# KiCad board wired-wizza.kicad_pcb (continued)
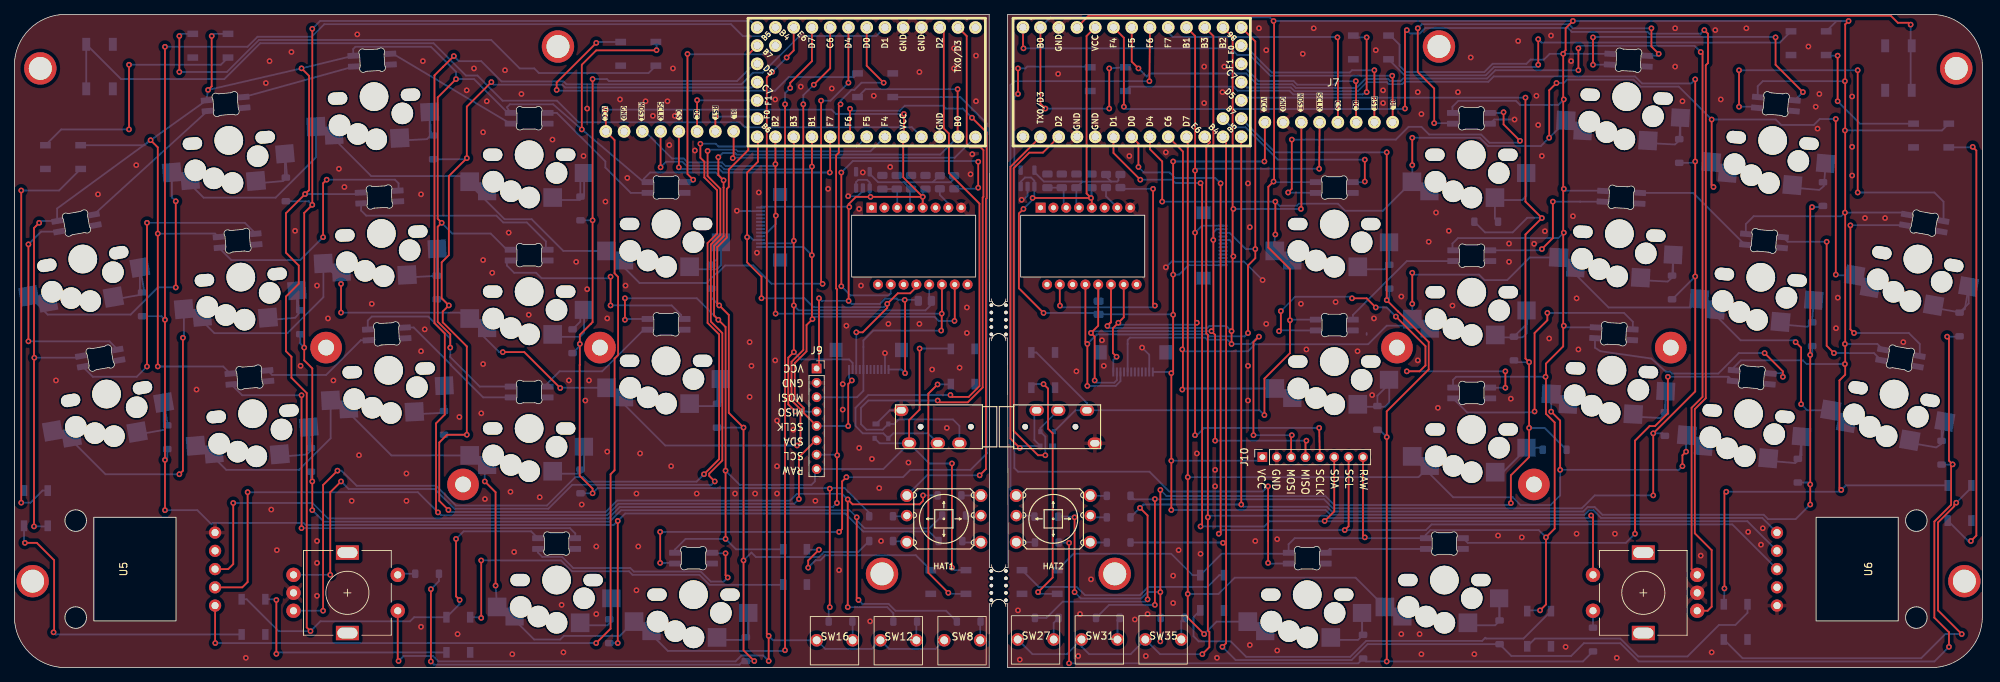
[diagram p0: board, top side]
## Nets (continued)
Net-(D56-DIN): D56.4 D84.2
Net-(D56-DOUT): D56.2 D63.4
Net-(D57-K): D57.1 SW24.2
Net-(D58-K): D58.1 SW25.2
Net-(D59-K): D59.1 SW26.2
Net-(D60-K): D60.1 SW27.2
Net-(D61-DOUT): D61.2 D68.4
Net-(D62-DOUT): D62.2 D69.4
Net-(D63-DOUT): D63.2 D70.4
Net-(D64-K): D64.1 SW28.2
Net-(D65-K): D65.1 SW29.2
Net-(D66-K): D66.1 SW30.2
Net-(D67-K): D67.1 SW31.2
Net-(D68-DOUT): D68.2 D75.4
Net-(D69-DOUT): D69.2 D76.4
Net-(D70-DOUT): D70.2 D88.4
Net-(D71-K): D71.1 SW32.2
Net-(D72-K): D72.1 SW33.2
Net-(D73-K): D73.1 SW34.2
Net-(D74-K): D74.1 SW35.2
Net-(D75-DOUT): D75.2 D81.4
Net-(D76-DOUT): D76.2 D82.4
Net-(D77-K): D77.1 SW36.2
Net-(D78-K): D78.1 SW37.2
Net-(D79-K): D79.1 SW38.2
Net-(D80-K): D80.1 SW39.S2
Net-(D81-DOUT): D81.2 D83.4
Net-(D82-DOUT): D82.2 D84.4
Net-(D85-K): D85.1 HAT2.1
Net-(D86-K): D86.1 HAT2.2
Net-(D87-DOUT): D87.2 D91.4
Net-(D88-DOUT): D88.2 D92.4
Net-(D89-K): D89.1 HAT2.3
Net-(D90-K): D90.1 HAT2.5
Net-(D91-DOUT): D91.2 D94.4
Net-(D92-DOUT): D92.2 D95.4
Net-(D93-K): D93.1 HAT2.6
Net-(D94-DOUT): D94.2 D96.4
Net-(D95-DOUT): D95.2 D97.4
Net-(D97-DOUT): D97.2 D99.4
Net-(D100-DIN): D99.2 D100.4
Net-(D100-DOUT): D87.4 D100.2
Net-(U4-LED_P): R1.2 U4.15
Net-(U4-VDDPIX): C3.1 C4.2 U4.3
Net-(U4-~{NRESET}): R2.1 U4.7
Net-(U10-LED_P): R4.2 U10.15
Net-(U10-VDDPIX): C7.1 C8.2 U10.3
Net-(U10-~{NRESET}): R5.1 U10.7

Pads without a net: D49 2; D96 2; J3 3 4 5 6 7 9 13 14; J4 4 6 7 8 9 10 13 14; J6 4 6 7 8 9 10 13 14; J8 3 4 5 6 7 9 13 14; NOREF 1; NOREF#2 1; NOREF#3 1; NOREF#4 1; NOREF#5 1; NOREF#6 1; NOREF#7 1; NOREF#8 1; REF** 1; REF**#2 1; SW21 MP; SW39 MP; U1 31; U3 4; U4 1 2 6 9 14 16; U5 4; U6 4; U7 31; U8 4; U10 1 2 6 9 14 16

## Via types
v1: diameter 0.8, hole 0.4, Top to Bottom, 635 vias

## Routing (per net, layer and track width the routed paths; a pad name or vN(x,y) marks a point on that pad's centre or on a via; arc(x,y) is an arc through that point)
GND: length 24.9
  Bottom w0.25: v1(208.73,76.3) 205.92,76.3 D61.3 ; v1(156.92,44.55) 157.9,43.56 J6.11 ; v1(140.15,65.12) 140.41,65.12 140.98,65.69 U8.2 ; 188.16,46.58 188.16,46.33 ; v1(160.22,55.72) 161.02,56.52 J8.2 171.1,56.52 v1(173.68,53.95)
  vias: v1(139.64,7.97) v1(139.9,1.11) v1(145.23,82.65) v1(147.77,41.25) v1(148.03,1.62) v1(148.28,7.46) v1(149.8,12.29) v1(151.33,45.56) v1(151.58,42.01) v1(155.14,71.22) v1(155.9,6.7) v1(157.42,1.62) v1(157.68,7.46) v1(160.22,71.73) v1(161.23,12.8) v1(161.23,8.99) v1(162,16.35) v1(164.54,29.82) v1(165.04,15.85) v1(165.55,83.66) v1(165.55,78.58) v1(167.08,27.53) v1(167.08,25.24) v1(167.33,1.37) v1(168.09,80.11) v1(168.35,83.66) v1(171.65,67.41) v1(171.65,42.01) v1(171.65,37.18) v1(171.9,61.31) v1(171.9,3.15) v1(172.66,17.62) v1(173.17,89) v1(174.19,85.95) v1(174.19,47.85) v1(175.71,17.88) v1(175.71,2.38) v1(179.01,50.64) v1(179.27,85.44) v1(179.78,44.29) v1(180.79,89) v1(183.84,50.9) v1(186.89,44.04) v1(188.92,37.94) v1(189.17,48.61) v1(189.43,85.95) v1(190.44,80.36) v1(190.44,78.58) v1(192.98,51.66) v1(192.98,4.67) v1(195.27,80.11) v1(195.27,42.77) v1(195.52,4.67) v1(195.78,77.06) v1(195.78,1.88) v1(196.79,59.28) v1(197.81,63.34) v1(198.06,36.17) v1(199.59,60.8) v1(200.1,50.39) v1(200.86,80.11) v1(202.64,84.93) v1(203.14,1.88) v1(206.45,18.39) v1(207.97,59.03) v1(207.97,56.49) v1(208.22,37.44) v1(209.24,87.22) v1(209.75,18.13) v1(211.46,59) v1(211.78,79.6) v1(212.03,75.54) v1(212.54,71.22) v1(212.96,60.75) v1(213.56,45.82) v1(213.81,87.98) v1(215.84,2.89) v1(216.61,84.43) v1(216.86,62.84) v1(217.37,51.41) v1(217.37,18.64) v1(217.62,44.29) v1(222.7,18.64) v1(222.96,1.37) v1(231.08,89) v1(231.08,83.66) v1(232.1,78.84) v1(234.64,15.59) v1(236.16,2.13) v1(236.67,88.74) v1(237.43,79.09) v1(240.99,89) v1(241.24,18.89) v1(243.02,17.12) v1(243.28,19.4) v1(249.63,86.46) v1(250.64,78.08) v1(250.9,75.03) v1(251.15,79.85) v1(253.46,47.25) v1(253.71,51.5) v1(255.71,79.5) v1(255.71,72.5) v1(255.71,68.5) v1(257.5,62.58) v1(260.29,62.58) v1(262.83,45.31)
GND_L: length 12.9
  Bottom w0.25: v1(116.02,65.63) 117.33,65.63 118.06,66.36 U3.2 ; J3.2 100.83,63.55 v1(100.53,63.6) 100.78,63.6 ; J2.C 121.81,35.83 D41.1 ; v1(121.13,43.79) J4.11
  vias: v1(5.79,39.98) v1(11.63,65.88) v1(16.96,69.95) v1(25.34,38.71) v1(32.2,1.37) v1(35,81.38) v1(35.5,84.43) v1(35.75,22) v1(36.52,16.35) v1(38.55,85.7) v1(39.06,60.8) v1(39.82,42.01) v1(42.11,53.18) v1(42.11,17.62) v1(42.11,14.58) v1(42.11,10) v1(43.63,48.61) v1(44.39,39.98) v1(45.16,69.44) v1(45.92,66.9) v1(46.93,23.21) v1(47.72,88.15) v1(47.95,29.56) v1(49.73,50.64) v1(54.55,27.02) v1(54.55,23.21) v1(56.59,65.88) v1(56.59,44.04) v1(56.59,5.69) v1(56.84,84.43) v1(57.09,47.09) v1(61.67,4.67) v1(61.92,34.9) v1(62.94,80.36) v1(63.95,83.41) v1(64.97,35.4) v1(65.22,74.52) v1(65.22,56.74) v1(65.22,42.26) v1(65.48,23.47) v1(65.73,78.84) v1(66.49,54.96) v1(68.27,83.16) v1(68.78,60.55) v1(69.03,24.48) v1(69.29,1.88) v1(69.54,16.1) v1(70.56,79.85) v1(71.57,49.12) v1(73.1,23.72) v1(74.87,73.5) v1(76.14,8.73) v1(76.4,2.13) v1(77.16,39.98) v1(78.18,56.49) v1(78.94,22.7) v1(79.19,71.22) v1(79.45,37.18) v1(79.7,77.82) v1(79.7,52.68) v1(79.95,39.98) v1(80.97,16.86) v1(80.97,7.46) v1(82.24,64.87) v1(82.49,48.61) v1(82.49,30.07) v1(84.27,79.09) v1(85.03,53.18) v1(85.29,68.17) v1(86.56,24.23) v1(86.56,10.77) v1(86.81,16.86) v1(87.07,29.82) v1(87.83,78.84) v1(88.84,76.81) v1(90.88,78.84) v1(91.13,72.74) v1(91.38,28.04) v1(91.64,83.41) v1(91.89,76.81) v1(94.69,71.98) v1(94.94,24.23) v1(100.27,24.23) v1(102.31,45.31) v1(102.31,37.69) v1(102.56,42.01) v1(103.07,24.23) v1(103.32,57.76) v1(103.58,66.14) v1(105.86,79.09) v1(105.86,42.77) v1(106.12,34.39) v1(106.12,28.04) v1(106.12,24.23) v1(108.4,33.12) v1(109.42,80.87) v1(111.45,23.21) v1(113.23,66.65) v1(113.74,80.62) v1(114.75,13.56) v1(115.26,39.47) v1(115.26,35.91) v1(115.77,47.6) v1(117.55,63.85) v1(117.55,30.58) v1(117.8,53.18) v1(118.05,68.93) v1(119.07,6.45) v1(119.32,29.05) v1(119.58,79.6) v1(120.34,24.99) v1(120.59,17.62) v1(121.61,47.85) v1(121.86,69.69) v1(124.4,28.55) v1(125.93,82.9) v1(125.93,47.85) v1(127.71,41.5) v1(129.74,33.37) v1(130.75,86.2) v1(130.75,83.41) v1(131.52,41.75) v1(132.53,50.14) v1(132.53,46.58) v1(133.04,68.68) v1(133.29,71.47) v1(133.8,85.19) v1(133.8,78.84)
VCC: length 253.2
  Top w0.25: U10.5 149.91,65.26 v1(149.8,65.38) ; v1(143.2,49.37) 139.77,52.81 139.77,63.21 v1(140.41,63.85) ; U7.21 149.19,87.92 149.19,65.99 v1(149.8,65.38) ; v1(149.8,65.38) v1(141.68,65.38) ; J7.1 173.99,70.52 v1(173.93,70.46) ; v1(161.23,70.46) v1(161.23,54.71) v1(161.23,49.12) 161.23,41.25 v1(160.98,40.99) v1(160.98,21.94)
  Bottom w0.25: v1(161.23,49.12) 161.18,49.18 R6.2 150.67,49.37 v1(143.2,49.37) ; C5.1 149.87,65.44 v1(149.8,65.38) ; U8.3 140.03,67.63 140.61,68.22 141.47,68.22 141.93,67.76 U8.1 141.93,65.63 v1(141.68,65.38) 141.68,65.12 v1(140.41,63.85) ; U6.1 243.22,20.83 220.77,20.83 219.7,21.9 219.1,21.9 218.48,21.28 183.11,21.28 182.45,21.94 v1(160.98,21.94) ; v1(160.98,28.8) 173.14,28.8 J10.1 ; v1(161.23,54.71) 162.06,54.71 163.38,56.02 J8.1 ; v1(160.98,40.99) 160.82,41.15 J6.12 ; v1(173.93,70.46) v1(161.23,70.46)
VCC_L: length 272.1
  Top w0.25: v1(80.95,3.42) 82.95,5.42 82.95,26.92 83.51,27.47 83.51,43.02 84,43.52 84,54.39 83.51,54.89 83.51,73.43 J1.1 82.3,77.66 v1(82.3,77.66) ; v1(126.4,65.53) U4.5 ; v1(126.4,65.53) 123.67,68.25 U1.21 123.77,73.98 v1(123.77,77.07) ; v1(126.4,65.53) v1(119.13,65.53) 117.09,65.53 116.08,64.52 116.08,64.22 v1(116.17,64.13) 116.08,64.03 v1(116.08,51.05) ; v1(27.95,3.42) 27.93,3.45 U5.1 ; J9.1 111.96,41.97 v1(111.96,51.41) ; v1(123.94,40.99) 123.94,51.14 v1(123.88,51.19)
  Bottom w0.25: v1(123.94,40.99) 123.43,41.5 J4.12 ; R3.2 125.63,51.19 122.95,51.19 122.78,51.36 121.15,51.36 120.42,50.63 116.51,50.63 v1(116.08,51.05) 112.31,51.05 v1(111.96,51.41) ; J3.1 103.95,64.17 116.13,64.17 v1(116.17,64.13) ; v1(82.3,77.66) 82.31,77.67 113.7,77.67 114.3,77.07 v1(123.77,77.07) ; v1(119.13,65.53) 119.01,65.64 U3.1 119.01,67.53 118.65,67.9 117.43,67.9 117.11,67.58 U3.3 ; C1.1 126.4,66.24 U4.5 ; v1(80.95,3.42) v1(27.95,3.42)
VDD: length 18.9
  Bottom w0.25: R5.2 151.9,68.36 152.6,67.66 ; 148.53,67.66 152.6,67.66 ; 148.53,67.66 143.25,67.66 141.93,68.98 U8.5 ; 148.53,67.66 148.53,67.57 C6.1 147.77,64.39 U10.4 ; 152.6,67.66 153.45,67.66 153.61,67.82 153.61,68.37 R4.1
VDD_L: length 18.6
  Bottom w0.25: 123.77,67.57 127.77,67.57 ; 123.77,67.57 124.72,66.62 C2.1 124.62,66.46 U4.4 ; 123.77,67.57 120.18,67.57 119.01,68.74 U3.5 ; 127.77,67.57 128.68,68.48 R2.2 ; 127.77,67.57 130.27,67.57 130.77,68.07 R1.1
col0: length 239
  Top w0.25: v1(268.93,46.07) 269.18,45.82 269.18,28.8 v1(269.69,28.29) 269.47,28.07 269.47,22.66 267.15,20.33 267.15,6.96 269.18,4.92 v1(269.18,2.89) ; v1(168.09,2.89) 168.6,3.4 168.6,73.45 U7.11
  Bottom w0.25: v1(269.69,28.29) 269.67,28.27 D48.2 ; D47.2 270.61,46.07 v1(268.93,46.07) ; D85.2 168.12,17.42 v1(168.17,17.37) ; v1(168.09,2.89) 169.93,1.06 186.06,1.06 188.28,3.27 D53.2 208.3,1.62 216.61,1.62 218.38,3.4 223.46,3.4 226,0.86 267.15,0.86 v1(269.18,2.89)
col0_L: length 285.9
  Top w0.25: v1(20.95,21.92) v1(20.95,28.92) v1(20.95,48.42) v1(20.95,86.42) ; v1(83.95,20.42) v1(83.95,3.42)
  Bottom w0.25: v1(20.95,48.42) 20.45,48.92 D1.2 ; D3.2 v1(83.95,3.42) ; D2.2 21.27,29.24 v1(20.95,28.92) ; U1.11 104.67,87.9 101.37,87.9 99.71,89.56 43.12,89.56 41.37,87.82 33.84,87.82 32.44,86.42 v1(20.95,86.42) ; v1(20.95,21.92) 25.45,21.92 27.42,19.95 27.61,20.14 40.25,20.14 40.53,19.87 83.4,19.87 v1(83.95,20.42) 85,21.46 115.65,21.46 115.65,21.43 118.12,18.95 127.27,18.95 128.48,17.73
col1: length 224.9
  Top w0.25: v1(250.13,64.11) 249.88,63.85 v1(249.88,43.53) v1(249.88,25.5) v1(249.88,22.7) ; v1(170.71,22.7) U7.12 ; v1(156.62,22.24) 157.68,21.18 v1(157.68,9.5)
  Bottom w0.25: D60.2 143.6,6.92 145.87,9.18 157.37,9.18 v1(157.68,9.5) ; D59.2 249.61,25.77 v1(249.88,25.5) ; D86.2 157.09,22.7 v1(170.71,22.7) 171.02,22.39 182.64,22.39 183.3,21.73 218.29,21.73 218.91,22.35 219.89,22.35 220.96,21.28 243.41,21.28 244.02,20.67 247.85,20.67 v1(249.88,22.7) ; v1(249.88,43.53) 250.15,43.81 D58.2 ; D57.2 251.49,64.11 v1(250.13,64.11)
col1_L: length 255.6
  Top w0.25: v1(41.45,21.92) v1(41.45,25.92) 41.45,41.64 40.33,42.77 v1(40.33,44.55) 40.33,63.29 v1(41.45,64.42) v1(41.45,88.92) ; v1(117.45,9.42) 117.2,9.67 v1(117.2,20.93)
  Bottom w0.25: v1(40.33,44.55) 39.77,45.1 D6.2 ; D5.2 40.95,64.92 v1(41.45,64.42) ; D43.2 127.33,19.4 118.31,19.4 117.2,20.5 v1(117.2,20.93) 116.22,21.91 84.42,21.91 82.83,20.32 43.05,20.32 v1(41.45,21.92) ; U1.12 102.44,90.01 42.54,90.01 v1(41.45,88.92) ; v1(41.45,25.92) 41.27,26.1 D7.2 ; v1(117.45,9.42) 118,8.87 121.64,8.87 122.59,7.92 129.64,7.92 D8.2
col2: length 232.2
  Top w0.25: v1(228.04,23.97) v1(228.04,32.61) 233.88,38.45 v1(233.88,54.45) v1(233.88,70.46) v1(233.88,81.89) ; v1(158.69,8.73) v1(158.69,23.47)
  Bottom w0.25: v1(228.04,32.61) 229.31,32.61 D66.2 ; D89.2 155.79,23.43 182.24,23.43 183.49,22.18 218.1,22.18 219.9,23.97 v1(228.04,23.97) ; D67.2 152.32,8.73 v1(158.69,8.73) ; D65.2 230.69,51.27 v1(233.88,54.45) ; D64.2 233.69,70.27 v1(233.88,70.46) ; U7.27 171.46,80.75 177.62,80.75 178.12,80.25 186.93,80.25 188.18,81.49 190.95,81.49 191.23,81.22 193.1,81.22 193.43,81.55 205.1,81.55 205.84,82.3 225.5,82.3 226.47,81.32 233.31,81.32 v1(233.88,81.89)
col2_L: length 209.5
  Top w0.25: v1(66.37,81.5) 62.95,78.09 v1(62.95,70.92) 60.45,68.42 60.45,57.42 59.45,56.42 59.45,51.42 v1(60.45,50.42) 59.6,49.57 59.6,48.07 62.95,44.72 v1(62.95,32.42) 60.2,32.42 59.12,31.33 59.12,23.22 v1(60.4,21.94) ; v1(115.95,8.42) v1(115.95,23.42) 116.64,22.74 125.96,22.74 126.44,23.21 v1(126.44,23.97)
  Bottom w0.25: v1(62.95,70.92) 62.8,70.77 D9.2 ; v1(115.95,23.42) 115.18,24.19 108.87,24.19 107.93,23.26 83.86,23.26 82.27,21.67 60.67,21.67 60.4,21.94 v1(60.4,21.94) ; v1(126.44,23.97) D44.2 ; U1.27 102.6,80.75 76.63,80.75 76.24,81.14 66.73,81.14 v1(66.37,81.5) ; D12.2 122.3,7.57 121.45,8.42 v1(115.95,8.42) ; D11.2 v1(62.95,32.42) ; v1(60.45,50.42) 59.6,51.27 D10.2
col3: length 218.4
  Top w0.25: v1(147.52,20.93) v1(147.52,10.51) ; v1(159.46,24.74) v1(159.46,10.51) v1(159.46,3.65) ; v1(208.22,22.9) 208.22,26.77 210.76,29.31 v1(210.76,42.52) 210.26,43.02 210.26,60.3 v1(212.54,62.58) 210.26,64.87 v1(210.26,79.35)
  Bottom w0.25: v1(147.52,10.51) 148.4,9.63 156.79,9.63 157.67,10.51 v1(159.46,10.51) ; D72.2 208.91,42.52 v1(210.76,42.52) ; v1(210.76,33.37) 212.92,33.37 D73.2 ; v1(159.46,24.74) 160.31,23.88 182.43,23.88 183.67,22.63 207.95,22.63 v1(208.22,22.9) ; v1(159.46,3.65) 159.46,6.87 D74.2 ; D71.2 204.63,60.59 208.48,60.59 210.51,62.62 212.5,62.62 v1(212.54,62.58) ; U7.26 171.09,79.35 v1(210.26,79.35) ; v1(147.52,20.93) 147.42,21.02 D90.2
col3_L: length 147.5
  Top w0.25: v1(80.45,81.93) v1(80.45,62.27) 80.45,48.1 80.21,47.85 80.2,47.85 78.68,46.33 v1(78.68,45.06) 78.68,42.14 78.66,42.12 78.66,26.72 80.45,24.92 v1(80.45,24.27) ; v1(113.45,24.92) v1(113.45,8.42)
  Bottom w0.25: U1.26 102.94,84.04 100.55,81.65 82.72,81.65 82.45,81.93 v1(80.45,81.93) ; v1(78.68,45.06) 78.68,44.8 D14.2 ; D15.2 v1(80.45,24.27) 81.18,24.99 113.38,24.99 v1(113.45,24.92) 113.53,24.99 115.51,24.99 118.94,21.56 D45.2 ; v1(80.45,62.27) D13.2 ; D16.2 113.3,8.27 v1(113.45,8.42)
col4: length 193.5
  Top w0.25: v1(146.76,17.37) v1(146.76,0.61) ; v1(190.95,0.86) v1(190.95,32.1) 190.95,35.67 196.79,41.51 196.79,45.32 192.52,49.59 192.51,49.59 v1(190.95,51.15) v1(190.95,71.73)
  Bottom w0.25: D78.2 189.93,33.12 v1(190.95,32.1) ; D93.2 v1(146.76,17.37) ; U7.25 175.41,71.73 v1(190.95,71.73) ; D77.2 191.3,51.5 v1(190.95,51.15) ; v1(146.76,0.61) 186.99,0.61 D79.2 188.06,0.86 v1(190.95,0.86) 218.26,0.86 D80.2
col4_L: length 173.8
  Top w0.25: v1(57.95,10.92) v1(57.95,0.86) ; U1.25 102.12,85.35 102.12,72.05 99.41,69.33 99.41,66.92 99.13,66.64 99.13,59.86 97.8,58.53 97.8,50.69 v1(98.08,50.42) 99.4,49.09 99.4,35.47 v1(101.45,33.42) v1(101.45,14.92) 101.45,2.42 v1(102.95,0.92)
  Bottom w0.25: v1(102.95,0.92) 101.39,0.92 100.89,0.42 58.4,0.42 v1(57.95,0.86) ; D18.2 v1(101.45,33.42) ; v1(101.45,14.92) 102.55,16.02 103.18,15.39 111.95,15.39 112.66,16.1 117.42,16.1 D46.2 ; D17.2 96.95,51.54 v1(98.08,50.42) ; v1(57.95,10.92) 59.07,12.04 D20.2
EncL: length 188.9
  Top w0.25: v1(154.38,78.08) 154.38,87.68 U7.20 ; v1(193.75,88.74) 193.49,88.49 v1(193.49,77.82) ; v1(235.15,88.74) 235.66,88.24 235.66,84.16 235.34,83.85 235.34,37.5 233.82,35.98 233.82,18.7 236.16,16.35 236.16,8.48 235.6,7.91 SW39.A
  Bottom w0.25: v1(154.38,78.08) 154.7,77.75 193.42,77.75 v1(193.49,77.82) ; v1(193.75,88.74) 194.22,88.27 195.57,88.27 195.99,88.7 195.99,88.71 196.32,89.03 216.18,89.03 216.72,88.49 227.26,88.49 227.51,88.24 234.65,88.24 v1(235.15,88.74)
EncL_L: length 148.6
  Top w0.25: v1(45.45,25.92) 43.95,24.42 v1(43.95,12.92) ; v1(96.45,71.92) 96.45,68.42 98.23,66.64 98.23,60.23 96.9,58.91 96.9,48.17 98.5,46.57 98.5,28.83 96.68,27.01 96.68,26.69 v1(97.45,25.92)
  Bottom w0.25: v1(97.45,25.92) 96.98,25.44 77.62,25.44 74.29,22.12 61.25,22.12 58.5,24.87 46.5,24.87 v1(45.45,25.92) ; v1(96.45,71.92) 96.63,72.09 100.44,72.09 100.67,71.87 119.12,71.87 U1.20 ; SW21.A 43.95,12.91 v1(43.95,12.92)
EncR: length 164.6
  Top w0.25: v1(156.41,83.41) 155.47,84.35 U7.19 ; v1(217.62,83.16) v1(217.62,86.2) ; v1(234.64,85.7) 234.89,85.44 234.89,37.69 233.37,36.17 233.37,13.7 SW39.B
  Bottom w0.25: v1(234.64,85.7) 233.78,86.55 217.72,86.55 217.62,86.46 v1(217.62,86.2) ; v1(217.62,83.16) 206.06,83.16 204.91,82 193.25,82 192.91,81.67 191.41,81.67 191.14,81.94 187.99,81.94 186.74,80.7 178.31,80.7 177.8,81.2 172.92,81.2 171.41,82.7 157.98,82.7 157.55,82.27 v1(156.41,83.41)
EncR_L: length 152.7
  Top w0.25: v1(44.95,27.42) 42.95,25.42 v1(42.95,7.92) ; v1(95.95,26.92) 98.05,29.02 98.05,46.38 96.45,47.98 96.45,59.09 97.78,60.42 97.78,66.46 96,68.23 96,70.42 95.45,70.97 v1(95.45,72.92)
  Bottom w0.25: v1(44.95,27.42) 45.52,27.42 47.62,25.32 58.68,25.32 61.43,22.57 74.1,22.57 78.08,26.54 79.12,26.54 79.77,25.89 94.93,25.89 v1(95.95,26.92) ; v1(42.95,7.92) 42.95,7.91 SW21.B ; v1(95.45,72.92) 97.59,72.92 97.97,72.54 117.26,72.54 U1.19
LED_5V: length 26.8
  Top w0.25: v1(187.9,70.71) v1(187.9,67.66)
  Bottom w0.25: D54.4 187.82,67.58 v1(187.9,67.66) ; U7.30 169.37,75.22 171.28,75.22 175.79,70.71 v1(187.9,70.71)
LED_5V_L: length 32.4
  Top w0.25: v1(93.66,85.42) 93.66,68.71 v1(94.45,67.92)
  Bottom w0.25: v1(94.45,67.92) 94.12,67.58 92.78,67.58 ; U1.30 104.69,85.38 93.69,85.38 v1(93.66,85.42)
MISO: length 113.7
  Top w0.25: v1(150.31,39.98) 150.31,46.07 v1(149.8,46.58) 150.8,47.59 U10.12 ; U7.15 166.83,87.92 166.83,47.1 v1(166.57,46.83) 167.08,46.33 v1(167.08,31.59) ; J10.4 179.65,31.47 v1(179.78,31.59)
  Bottom w0.25: J6.2 153.4,40.02 153.05,39.66 150.62,39.66 v1(150.31,39.98) ; U10.12 150.86,53.26 R6.1 ; v1(149.8,46.58) 150.05,46.83 v1(166.57,46.83) ; v1(166.82,59.53) 166.82,60.57 167.27,61.02 J8.11 ; v1(167.08,31.59) v1(179.78,31.59)
MISO_L: length 79.1
  Top w0.25: U1.15 108.43,50.44 v1(108.45,50.42) v1(108.45,43.92) 107.68,43.15 107.68,36.63 v1(108.66,35.66)
  Bottom w0.25: v1(108.45,59.42) 108.09,59.05 J3.11 ; v1(108.45,43.92) 109.47,42.9 116.15,42.9 116.63,42.41 J4.2 ; U4.12 127.29,51.37 R3.1 127.6,50.56 126.77,49.73 109.15,49.73 v1(108.45,50.42) ; J9.4 v1(108.66,35.66)
MOSI: length 140.2
  Top w0.25: v1(172.41,32.36) 172.41,45.31 v1(173.17,46.07) ; U7.14 169.51,87.78 169.51,57.35 v1(169.62,57.25) 169.51,57.14 169.51,46.98 v1(169.36,46.83) v1(169.36,45.06) ; v1(179.01,63.85) 179.07,63.91 J7.3 ; 152.58,48.12 152.09,47.62 v1(152.09,47.56) 152.58,48.05 U10.11 ; J10.3 177.65,32.26 v1(177.74,32.36)
  Bottom w0.25: v1(179.01,63.85) v1(169.62,63.85) ; J6.5 154.9,45.05 154.9,45.06 154.9,45.6 155.24,45.93 165.69,45.93 165.99,45.64 168.78,45.64 v1(169.36,45.06) 172.03,45.06 173.04,46.07 v1(173.17,46.07) ; 169.36,57.25 169.36,59.26 169.1,59.52 J8.8 ; v1(169.36,46.83) 168.64,47.56 166.27,47.56 165.99,47.28 152.36,47.28 v1(152.09,47.56) ; v1(177.74,32.36) v1(172.41,32.36)
MOSI_L: length 103.9
  Top w0.25: U4.11 129.07,49.31 v1(129.03,49.28) 129.03,47 v1(128.95,46.92) ; v1(105.92,49.28) 105.89,49.3 U1.14
  Bottom w0.25: v1(105.92,49.28) v1(129.03,49.28) ; v1(105.89,70.09) 105.62,69.82 98.96,69.82 98.46,70.32 93.69,70.32 93.14,70.87 91.5,70.87 87.73,74.64 J1.3 ; J9.3 117.24,37.64 118.13,38.53 118.13,45.56 119.5,46.92 v1(128.95,46.92) ; v1(105.95,62.92) 105.95,61.76 104.74,60.55 J3.8
NCS: length 92.8
  Top w0.25: v1(171.65,46.58) 171.65,55.98 172.66,56.99 v1(172.66,58.26) 172.66,87.17 U7.13 ; U10.13 149.02,45.33 v1(149.3,45.06) v1(149.3,39.21)
  Bottom w0.25: J8.10 169.1,60.52 171.36,58.26 v1(172.66,58.26) ; J6.3 153.9,39.88 153.23,39.21 v1(149.3,39.21) ; v1(171.65,46.58) 171.18,46.11 166.27,46.11 165.99,46.38 150.62,46.38 v1(149.3,45.06)
NCS_L: length 61
  Top w0.25: v1(103.95,51.42) 103.95,54.42 101.95,56.42 101.95,68.92 103.45,70.42 103.45,73.78 U1.13 ; U4.13 125.51,52.97 124.64,52.11 122.92,52.11 v1(121.45,50.64) 121.45,50.09 118.04,46.67 v1(117.15,46.67)
  Bottom w0.25: v1(117.15,46.67) 117.13,46.66 J4.3 ; v1(121.45,50.64) 120.99,50.18 111.2,50.18 109.95,51.42 v1(103.95,51.42) ; J3.10 102.91,59.55 102.9,59.53 102.81,59.53 102.43,59.92 v1(101.95,59.92)
RAW: length 708.8
  Top w0.25: v1(143.45,77.82) 142.77,78.5 U7.24 ; v1(254.2,24.74) 253.94,24.99 253.94,39.98 254.74,40.77 254.74,45.02 v1(254.71,45.06) 254.74,45.09 254.74,63.31 v1(254.71,63.34) 254.74,63.38 254.74,74.74 v1(254.71,74.77) 254.74,74.81 254.74,89.54 v1(255.21,90.01) ; v1(175.2,90.01) 175.28,89.94 175.28,67.74 v1(175.2,67.66) 174.48,66.94 174.48,58.48 177.49,55.47 v1(177.49,48.36) 177.49,43.79 173.93,40.23 v1(173.93,35.15) ; v1(212.29,7.97) 213.11,8.79 v1(213.11,18.13) 214.32,19.34 214.32,34.12 213.11,35.34 213.11,42.32 215.51,44.72 215.51,85.61 215.84,85.95 215.84,89 v1(216.86,90.01) ; v1(237.94,11.02) 237.94,24.23 v1(238.2,24.48) ; v1(152.34,83.41) v1(152.34,77.82) ; J10.8 187.65,18.39 v1(187.9,18.13)
  Bottom w0.25: v1(254.71,42.26) 249.37,42.26 248.86,42.77 240.23,42.77 239.21,41.76 D56.1 ; v1(213.11,18.13) 212.09,19.15 197.05,19.15 196.37,18.47 D63.1 178.14,18.02 177.29,17.17 D70.1 177.16,15.85 167.98,15.85 D91.1 163.95,12.87 160.97,15.85 147.38,15.85 D94.1 ; v1(215.59,47.6) 215.83,47.36 D84.1 ; v1(173.93,35.15) 173.25,35.83 J5.D ; 254.2,90.01 253.55,90.01 D95.1 ; 254.2,90.01 v1(216.86,90.01) v1(175.2,90.01) 174.7,90.52 144.17,90.52 U7.24 ; 254.2,90.01 v1(255.21,90.01) ; D99.1 254.83,25.37 v1(254.2,24.74) 253.94,24.48 v1(238.2,24.48) ; D83.1 259.22,45.06 v1(254.71,45.06) ; D87.1 210.61,7.97 v1(212.29,7.97) ; D88.1 v1(152.34,83.41) ; D61.1 200.1,77.25 200.1,78.08 200.92,78.9 208.93,78.9 209.49,78.33 214.83,78.33 v1(215.59,79.09) ; D98.4 147.64,35.83 J5.D ; D81.1 263.03,63.34 v1(254.71,63.34) 254.2,62.84 242.01,62.84 240.92,61.75 D55.1 ; J5.D 149.24,36.83 142.2,43.87 D96.1 ; v1(215.59,66.65) 215.84,66.39 220.92,66.39 220.96,66.36 D62.1 ; D92.1 191.46,87.98 192.73,86.71 192.73,83.79 193.62,82.9 204.54,82.9 205.69,84.06 210.39,84.06 210.98,84.64 212.83,84.64 213.63,85.44 v1(215.51,85.44) 218.89,85.44 218.9,85.44 D68.1 ; D82.1 200.18,40.05 200.6,40.48 v1(213.05,40.48) ; D97.1 268.21,74.77 v1(254.71,74.77) ; D69.1 200.1,58.18 200.1,59.03 200.86,59.79 214.83,59.79 v1(215.59,60.55) ; v1(175.2,67.66) 175.29,67.58 D54.1 ; D76.1 177.57,48.44 ; D75.1 242.57,80.93 243.28,81.63 v1(254.71,81.63) ; v1(152.34,77.82) v1(143.45,77.82) ; D100.1 v1(237.94,11.02)
RAW_L: length 705.9
  Top w0.25: v1(130.45,13.92) v1(130.45,28.42) ; v1(78.95,74.92) 78.95,83.92 80.95,85.92 89.32,85.92 v1(89.35,85.95) ; v1(98.95,17.92) 98.95,47.42 v1(97.95,48.42) 97.35,49.02 97.35,58.72 98.68,60.05 98.68,66.83 98.68,66.83 v1(98.68,67.83) 97.95,68.56 v1(97.95,71.04) ; v1(19.95,41.92) v1(19.95,60.42) 19.95,72.42 v1(18.95,73.42) ; v1(27.45,87.92) 27.45,80.92 v1(26.95,80.42) ; v1(2.74,19.66) 2.73,19.66 2.73,43.09 v1(2.78,43.14) 2.73,43.18 2.73,61.2 v1(3.45,61.92) ; U1.24 131.24,73.93 v1(131.24,80.52) ; v1(61.45,81.92) 58.9,79.37 58.9,62.47 v1(59.45,61.92) 58.9,61.37 58.9,48.13 60.65,46.38 v1(60.65,44.55) ; v1(61.95,9.42) 61.45,9.92 v1(61.45,17.92) ; v1(125.95,44.42) 125.95,35.92 124.5,34.46 J2.D ; v1(41.2,5.07) 40.68,5.6 40.68,38.22 38.55,40.35 38.55,43.28 37.79,44.04 37.79,51.66 39.57,53.44 39.57,55.98 37.79,57.76 37.79,63.25 v1(40.45,65.92) 41,66.47 41,82.37 v1(39.95,83.42) ; v1(84.95,48.42) v1(84.95,51.42)
  Bottom w0.25: v1(130.45,13.92) 130.8,13.57 D50.1 ; v1(3.45,61.92) 3.71,62.17 D35.1 5.95,63.91 v1(18.95,73.42) ; D27.1 47.96,65.92 v1(40.45,65.92) ; 87.58,48.53 85.07,48.53 v1(84.95,48.42) ; v1(130.45,28.42) 127.31,28.42 J2.D ; D37.1 4.55,19.66 v1(2.74,19.66) ; v1(2.78,43.14) 9.02,43.14 D39.1 ; v1(61.95,9.42) 61.95,8.85 D52.1 55.63,7.02 55.06,6.45 42.58,6.45 v1(41.2,5.07) 36.77,5.07 32.32,9.52 D38.1 ; D40.1 49.17,48.31 49.73,48.87 57.6,48.87 60.65,45.82 v1(60.65,44.55) 60.65,43.22 64.75,39.12 68.53,39.12 ; D4.1 118.42,80.52 v1(131.24,80.52) ; U1.24 128.83,71.42 100.48,71.42 100.25,71.64 98.55,71.64 v1(97.95,71.04) ; v1(18.95,73.42) D32.1 26.74,79.1 v1(26.95,80.42) v1(39.95,83.42) D29.1 47.14,86.11 47.45,86.42 57.97,86.42 61.45,82.93 v1(61.45,81.92) 63.95,81.92 68.53,77.34 D26.1 68.53,77.99 68.95,78.42 74.95,78.42 v1(78.95,74.92) 87.58,67.58 87.58,68.04 88.45,68.92 97.59,68.92 v1(98.68,67.83) ; v1(18.95,73.42) 18.8,73.42 18.1,72.72 D34.1 ; v1(89.35,85.95) 89.35,87 D21.1 ; J2.D 120.39,31.23 D41.4 ; J2.D 120.91,27.64 J9.8 111.39,27.41 111.39,25.93 110.9,25.44 100.93,25.44 v1(98.95,27.42) ; v1(97.95,48.42) 94.95,51.42 v1(84.95,51.42) ; v1(19.95,41.92) 29.06,41.92 D24.1 ; D25.1 27.75,88.22 v1(27.45,87.92) ; D23.1 27.93,60.42 v1(19.95,60.42) ; 130.15,44.42 v1(125.95,44.42) ; D31.1 91.9,16.43 93.39,17.92 v1(98.95,17.92) 100.4,16.47 D51.1 ; v1(59.45,61.92) 60.95,60.42 66.28,60.42 68.53,58.17 ; D28.1 71.9,18.97 62.5,18.97 v1(61.45,17.92)
RESET: length 126.4
  Top w0.25: v1(263.85,89.51) 263.6,89.76 262.07,89.76 261.09,90.74 149.47,90.74 U7.22
  Bottom w0.25: SW40.1 263.85,80.52 v1(263.85,89.51)
RESET_L: length 131.9
  Bottom w0.25: U1.22 124.88,75.22 101.65,75.22 100.95,75.92 78.49,75.92 75.49,78.92 67.93,78.92 64.43,82.42 62.83,82.42 58.33,86.92 34.21,86.92 29.21,81.92 14.84,81.92 SW20.1 SW20.1
row_0: length 170.8
  Top w0.25: v1(236.16,76.3) 236.16,67.15 v1(236.42,66.9) ; v1(214.57,81.38) 213.56,80.36 v1(213.56,73.76) ; v1(253.44,76.37) v1(253.44,54.71) ; v1(159.71,64.87) 159.71,70.46 158.01,72.15 U7.7 ; v1(194.51,73.76) v1(194.51,69.95) ; v1(175.46,60.3) v1(175.46,64.87)
  Bottom w0.25: SW24.1 236.08,67.23 v1(236.42,66.9) ; v1(214.57,81.38) 215.59,81.38 216.06,81.85 225.31,81.85 226.29,80.87 231.59,80.87 v1(236.16,76.3) 245.08,76.3 245.85,75.54 250.38,75.54 251.21,76.37 v1(253.44,76.37) ; SW4.1 253.53,54.62 v1(253.44,54.71) ; v1(194.51,73.76) 203.91,73.76 205.06,72.61 212.41,72.61 v1(213.56,73.76) 215.87,76.07 SW28.1 ; v1(175.46,60.3) 175.38,60.22 SW36.1 ; v1(194.51,69.95) 194.51,67.68 SW32.1 190.42,63.6 185.15,63.6 184.17,64.58 178.71,64.58 178.44,64.3 176.02,64.3 v1(175.46,64.87) v1(159.71,64.87)
row_0_L: length 178.6
  Top w0.25: v1(112.45,53.42) 112.25,53.62 v1(112.25,78.92) ; v1(116.05,81.42) U1.7 ; v1(22.45,52.92) v1(22.45,64.92)
  Bottom w0.25: v1(116.05,81.42) 113.55,78.92 v1(112.25,78.92) ; SW5.1 21.92,65.45 v1(22.45,64.92) ; SW9.1 41.98,71.05 36.35,65.42 26.33,65.42 24.19,67.55 ; SW1.1 4.63,49.14 16.18,49.14 19.95,52.92 v1(22.45,52.92) ; v1(112.45,53.42) 112.43,53.44 105.35,53.44 102.81,55.98 98.9,55.98 97.93,55 97.78,55 96.32,53.54 86.99,53.54 84.1,56.43 ; 81.9,58 76.39,58 71.97,62.42 68.2,62.42 62.98,67.64 62.85,67.64 62.08,68.42 49.66,68.42 44.22,73.85
row_1: length 163.9
  Top w0.25: v1(162.5,38.71) 162.59,38.79 162.59,44.2 v1(162.5,44.29) 162.59,44.38 162.59,71.84 U7.8 ; v1(248.61,36.67) 248.61,44.55 v1(247.85,45.31) ; v1(194.51,50.64) v1(194.51,54.96)
  Bottom w0.25: v1(248.61,36.67) 249.46,35.82 SW22.1 ; SW37.1 162.66,38.86 v1(162.5,38.71) ; v1(194.51,50.64) SW33.1 193.59,47.6 190.95,47.6 188.37,45.02 172.63,45.02 171.65,44.04 162.76,44.04 v1(162.5,44.29) ; v1(247.85,45.31) 247.59,45.56 240.19,45.56 SW25.1 233.24,50.14 221.82,50.14 SW29.1 210.86,57.09 207.72,53.95 204.56,53.95 203.79,54.71 194.76,54.71 v1(194.51,54.96)
row_1_L: length 199.8
  Top w0.25: v1(75.95,38.92) 70.95,43.92 v1(67.95,43.92) ; v1(111.23,81.14) 113.51,83.42 U1.8 ; v1(45.45,49.42) v1(45.45,53.42) ; v1(109.77,78.42) 109.77,44.21 108.13,42.57 108.13,37.21 109.38,35.96 109.38,31.39 v1(108.91,30.92) ; v1(23.45,45.92) 23.45,27.42 v1(22.95,26.92)
  Bottom w0.25: v1(67.95,43.92) 67.45,43.92 65.05,46.33 65.05,47.02 ; 25.86,48.53 27.83,46.56 37.99,46.56 43,51.57 SW10.1 45.45,53.8 v1(45.45,53.42) ; v1(109.77,78.42) 109.77,79.68 v1(111.23,81.14) ; v1(45.45,49.42) 62.02,49.42 62.85,48.59 ; v1(23.45,45.92) 23.59,46.05 SW6.1 ; v1(22.95,26.92) 12.68,26.92 7.95,31.65 ; 81.9,38.95 75.99,38.95 v1(75.95,38.92) ; v1(108.91,30.92) 90.56,30.92 84.1,37.38
row_2: length 201.4
  Top w0.25: v1(213.83,35.64) 215.08,34.39 v1(215.08,27.53) ; v1(165.55,4.67) 163.27,6.96 v1(163.27,26.51) 163.27,73.71 U7.9 ; v1(232.1,28.04) 232.1,29.56 v1(232.61,30.07)
  Bottom w0.25: SW34.1 200.19,23.72 208.48,23.72 209.57,22.63 213.74,22.63 215.08,23.97 v1(215.08,27.53) 231.59,27.53 v1(232.1,28.04) ; v1(213.83,35.64) SW30.1 ; SW26.1 232.61,32.23 v1(232.61,30.07) ; v1(163.27,10.26) 167.54,10.26 169.8,12.52 186.62,12.52 SW23.1 ; v1(163.27,26.51) 195.37,26.51 196.69,27.84 ; v1(165.55,4.67) 167.29,6.4 SW38.1
row_2_L: length 190.6
  Top w0.25: U1.9 110.97,84.42 107.95,81.4 v1(107.95,80.68) ; v1(65.45,25.92) 66.95,24.42 v1(66.95,11.42) ; v1(107.23,78.42) 107.23,2.42 v1(107.23,2.42)
  Bottom w0.25: v1(65.45,25.92) 65.45,27.56 ; 46.25,35.75 52.46,29.54 62.85,29.54 ; v1(107.23,2.42) 107.14,2.33 90.92,2.33 88.41,4.84 ; 69.36,6.87 72.32,3.92 75.95,3.92 76.45,4.42 84.23,4.42 SW19.1 ; SW11.1 44.01,31.93 39.62,27.54 29.48,27.54 27.51,29.51 ; v1(107.95,80.68) 107.23,79.96 v1(107.23,78.42) ; SW3.1 v1(66.95,11.42)
